# Altium PCB AD-FMComms3_revA.PcbDoc (part 3 of 5)
Units mil, origin at the board's own origin, x right, y up, seen from the top; angles counter-clockwise.
Board outline 3311.81 x 2716.54 mil, 10 copper layers (TOP, L2_GND, L3_PWR, L4_GND, L5_SIG, L6_SIG, L7_GND, L8_PWR, L9_GND, BOTTOM), stack 60.05 mil thick; 211 components, 138 nets, 808 pads, 812 vias.
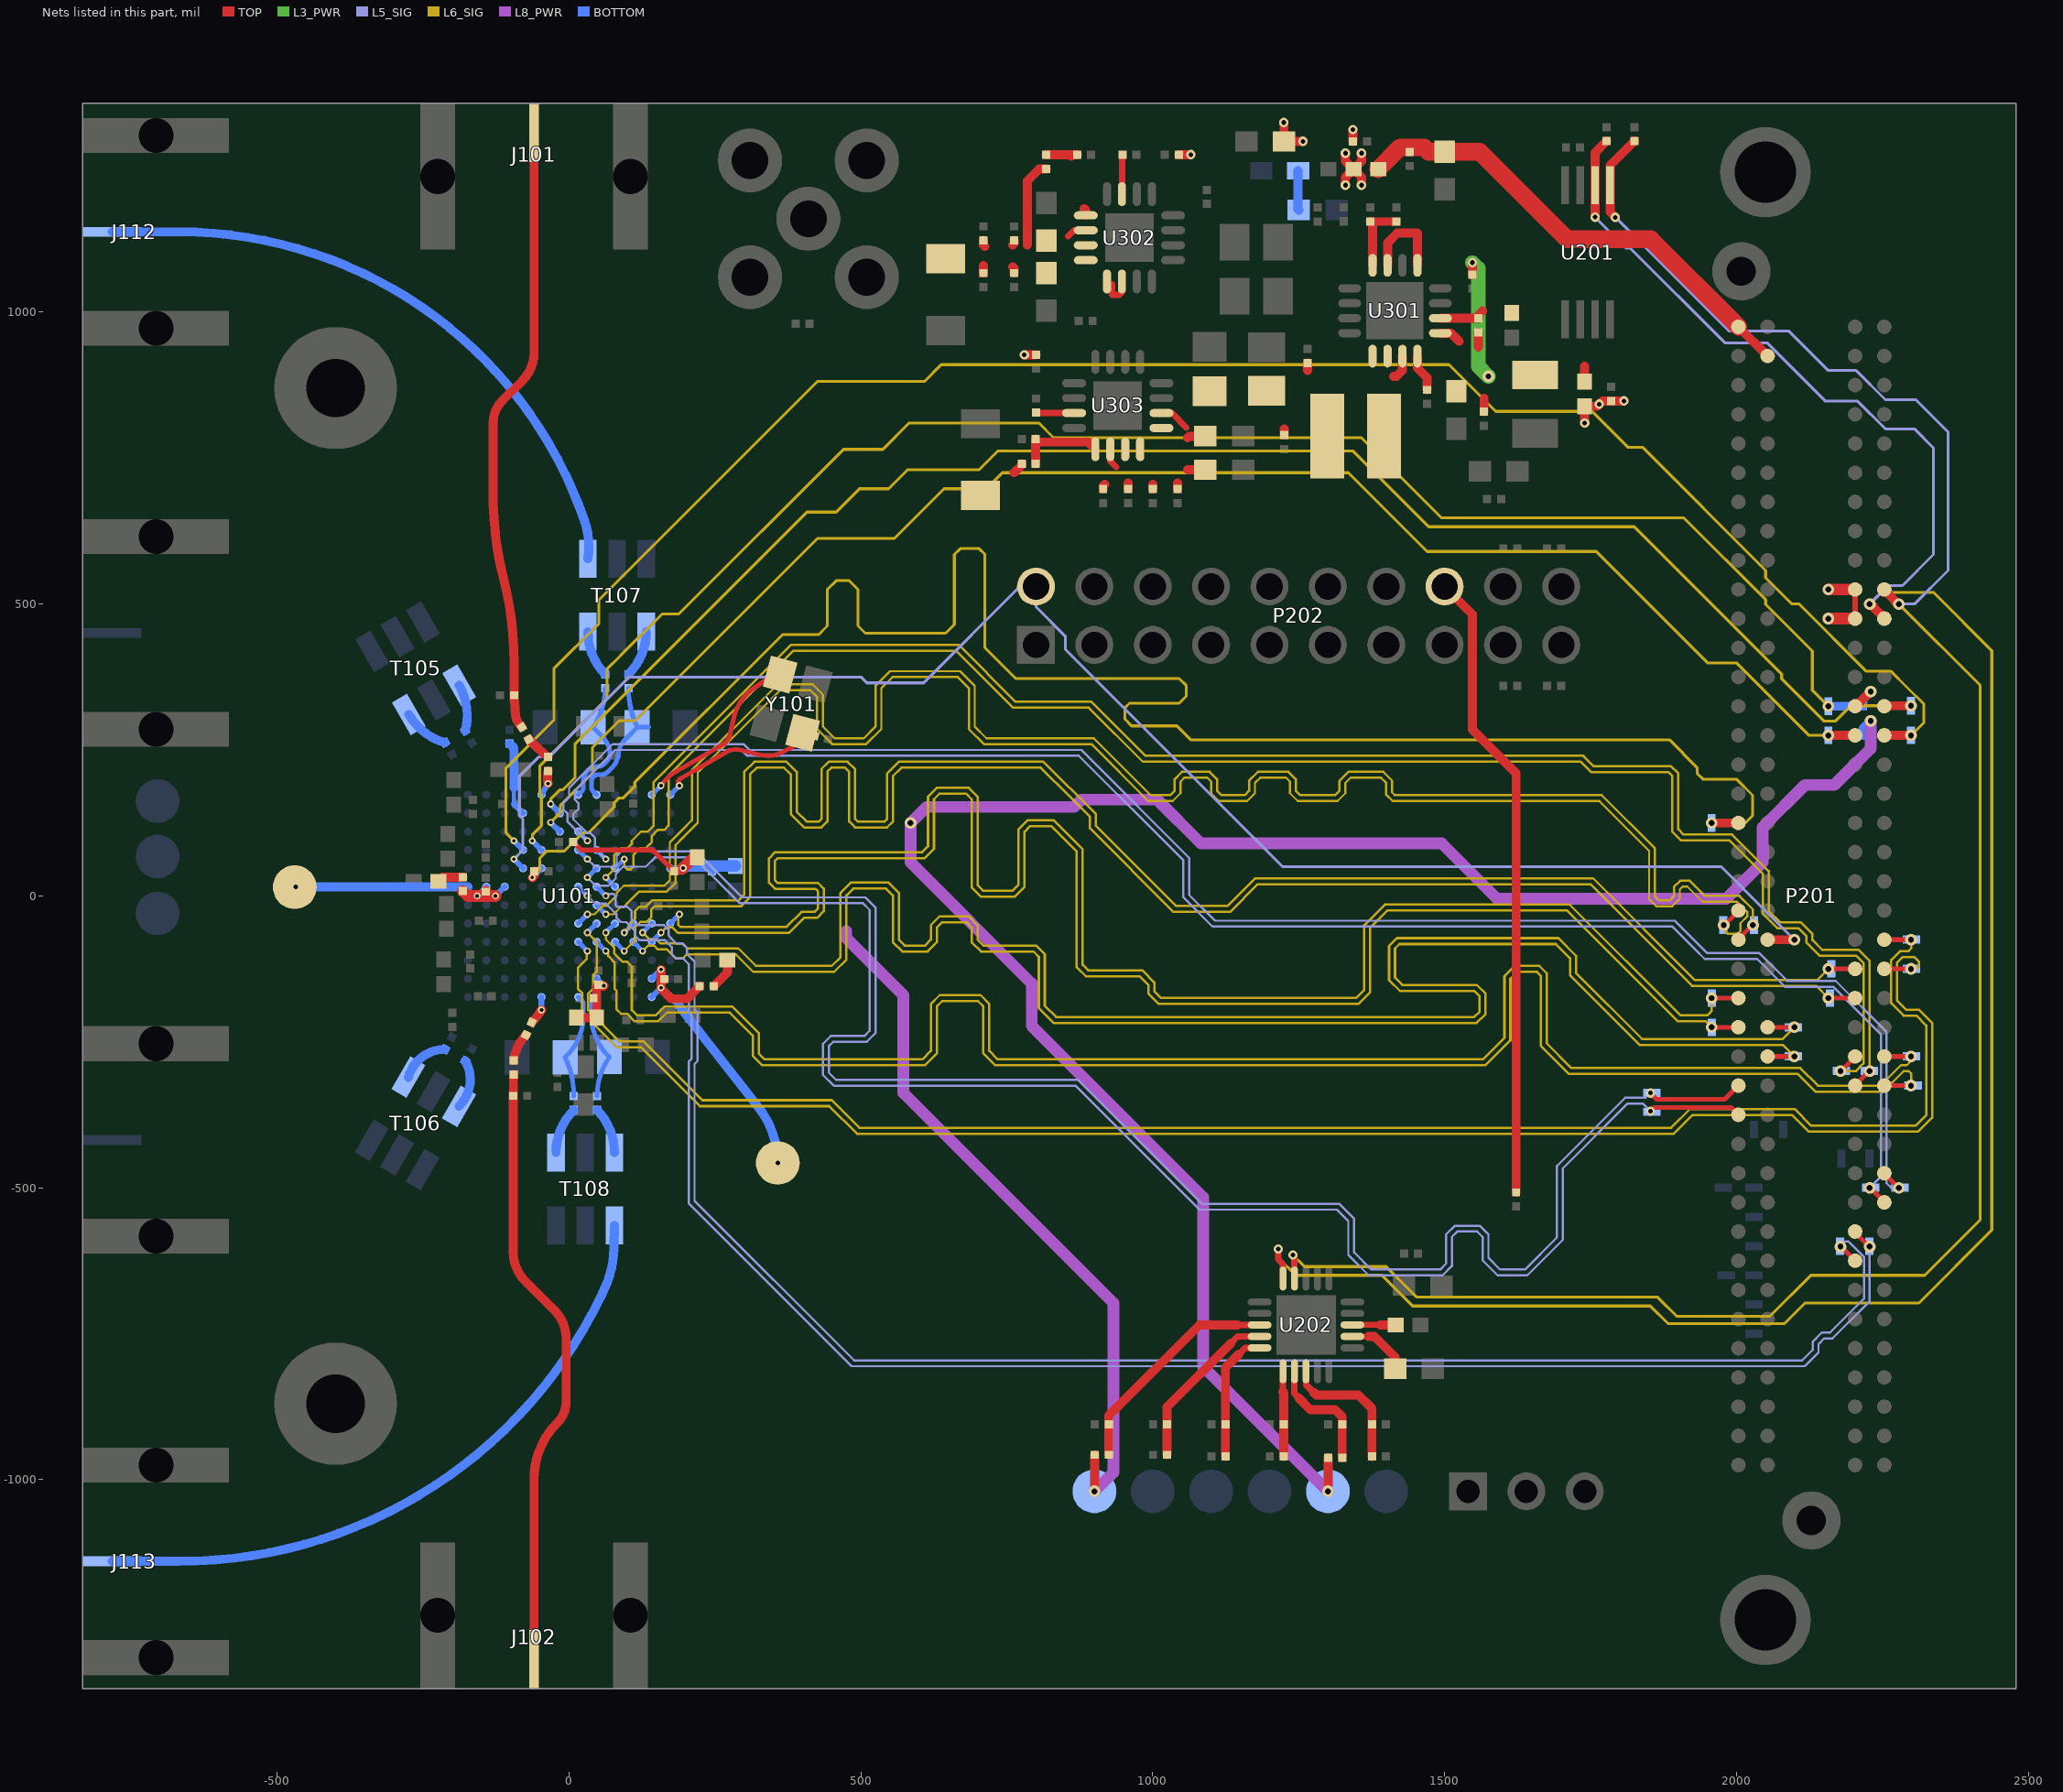
[diagram p11: the nets of this part, all layers, seen from the top]

## Via types
v1: diameter 20, hole 10, TOP to BOTTOM, 458 vias
v2: diameter 16, hole 8, TOP to BOTTOM, 196 vias
v3: diameter 12, hole 6, TOP to BOTTOM, 135 vias
v4: diameter 28, hole 12, TOP to BOTTOM, 19 vias
v5: diameter 210, hole 160, TOP to BOTTOM, 2 vias
v6: diameter 155, hole 105, TOP to BOTTOM, 2 vias

## Nets (pads, with @x,y where several pads share a name; then routed paths per layer and width w, separated by ;. In a path a pad name is that pad's centre, name@x,y a point inside that pad or via, vN(x,y) a via of type N, cw(c..) or ccw(c..) an arc to the next point about the centre after c; other vN are vias at no path point) (continued)
RX_D4_N: P201.C11 TP231.1 U101.K7 | length 2984.1
  TOP w8: P201.C11@2253.27,-475 2253.27,-475.82 2271.81,-494.36 2271.81,-496 v1(2278.27,-500)
  L5_SIG w3.8: v3(31.49,94.5) 30.17,94.5 -2.41,127.08 -2.41,140.88 -9.92,148.39 -9.92,159.09 0,169.01 0,185 75,260 299.15,260 309.15,250 877.5,250 1062.5,65 1062.5,1.65 1106.65,-42.5 1894.28,-42.5 1935.99,-84.2 1949.87,-98.09 ; 1949.88,-98.1 2039.35,-98.1 2086.97,-145.72 2169.87,-145.72 2257.3,-233.15 2257.3,-492.3 2265,-500 v1(2278.27,-500)
  BOTTOM w8: U101.K7@15.75,110.24 v3(31.49,94.5)
RX_D4_P: P201.C10 TP230.1 U101.J8 | length 2983.9
  TOP w8: v1(2228.27,-500) 2234.73,-504 2234.73,-505.64 2253.27,-524.18 P201.C10@2253.27,-525
  L5_SIG w3.8: v3(62.98,63) 44.49,81.49 44.49,99.89 41.78,102.6 41.64,102.6 36.84,107.4 31.42,107.4 7.59,131.23 7.59,140.1 15.88,148.39 15.88,159.09 10,164.97 10,180.85 79.15,250 295,250 305,240 873.35,240 1052.5,60.85 1052.5,-2.5 1102.5,-52.5 1890.13,-52.5 1928.91,-91.28 1945.72,-108.1 2035.2,-108.1 2082.82,-155.72 2165.72,-155.72 2247.3,-237.3 2247.3,-480.97 v1(2228.27,-500)
  BOTTOM w8: U101.J8@47.24,78.74 v3(62.98,63)
RX_D5_N: P201.H14 TP206.1 U101.J7 | length 2987.4
  TOP w8: v2(1852.5,-337.72) 1863.28,-348.5 1979.77,-348.5 P201.H14@2003.27,-325
  L5_SIG w3.8: v3(31.49,63) 44.48,50.01 77.5,50.01 81.58,54.09 81.58,68.33 89.13,75.88 103.37,75.88 103.48,75.99 218.29,75.99 296.78,-2.5 507.5,-2.5 525,-20 525,-235 510,-250 452.5,-250 445,-257.5 445,-302.5 457.5,-315 871.65,-315 1084.15,-527.5 1319.6,-527.5 1345,-552.9 1345,-610.85 1374.15,-640 1492.5,-640 1502.5,-630 1502.5,-580 1517.5,-565 1560,-565 1575,-580 1575,-620 1595,-640 1637.5,-640 1692.5,-585 1692.5,-462.5 1809.28,-345.72 1844.5,-345.72 v2(1852.5,-337.72)
  BOTTOM w8: U101.J7@15.75,78.74 v3(31.49,63)
RX_D5_P: P201.H13 TP205.1 U101.H8 | length 2989.1
  TOP w8: v2(1852.5,-368.92) 1858.92,-362.5 1990.77,-362.5 P201.H13@2003.27,-375
  L5_SIG w3.8: v3(31.5,31.5) 45.5,17.5 67.5,17.5 80,30 80,37.5 92.07,49.57 92.07,49.83 92.32,50.08 120.62,50.08 ; 120.63,50.09 131.33,50.09 147.23,65.99 214.14,65.99 292.63,-12.5 503.35,-12.5 515,-24.15 515,-230.85 505.85,-240 448.35,-240 435,-253.35 435,-306.65 453.35,-325 867.5,-325 1080,-537.5 1315.45,-537.5 1335,-557.05 1335,-615 1370,-650 1496.65,-650 1512.5,-634.15 1512.5,-584.15 1521.65,-575 1555.85,-575 1565,-584.15 1565,-624.15 1590.85,-650 1641.65,-650 1702.5,-589.15 1702.5,-466.65 1813.43,-355.72 1839.3,-355.72 v2(1852.5,-368.92)
  BOTTOM w8: v3(31.5,31.5) U101.H8@47.24,47.24
RX_EXT_LO: TP102.1 U101.G1 | length 294.9
  BOTTOM w15.5: v2(-468.01,15.51) -270.74,15.51 -270.5,15.75 U101.G1@-173.23,15.75
RX_FRAME_N: P201.D9 TP221.1 U101.G7 | length 2997.5
  TOP w8: P201.D9@2203.27,-575 2203.27,-576.64 2221.81,-595.18 2221.81,-596.82 v1(2228.27,-600.82)
  L5_SIG w3.8: v3(31.49,0.01) 44.85,-13.35 63.09,-13.35 81.14,-31.4 81.14,-37.3 88.69,-44.85 98.2,-44.85 113.09,-59.74 113.09,-68.33 120.64,-75.88 131.34,-75.88 152.11,-75.89 164.24,-75.9 176.08,-87.74 176.08,-99.84 183.63,-107.39 195.74,-107.39 205,-116.65 205,-199.15 210,-204.15 210,-278.85 205,-283.85 205,-526.65 484.07,-805.72 2116.78,-805.72 2140.55,-781.95 2140.55,-767.99 2150.44,-758.1 2164.4,-758.1 2228.27,-694.23 v1(2228.27,-600.82)
  BOTTOM w8: U101.G7@15.75,15.75 v3(31.49,0.01)
RX_FRAME_P: P201.D8 TP220.1 U101.G8 | length 3000.3
  TOP w8: v1(2178.27,-600.82) 2184.73,-604.82 2184.73,-606.46 P201.D8@2203.27,-625
  L5_SIG w3.8: v3(62.98,0.01) 66.22,3.25 76.75,3.25 79.44,0.56 79.44,-15.55 82.49,-18.6 99.84,-18.6 107.39,-26.15 107.39,-39.88 117.59,-50.08 131.34,-50.08 162.83,-50.09 170.38,-57.64 170.38,-67.89 184.08,-81.59 194.33,-81.59 201.88,-89.14 201.88,-99.38 215,-112.5 215,-195 220,-200 220,-283 215,-288 215,-522.5 488.22,-795.72 2112.63,-795.72 2130.55,-777.8 2130.55,-763.84 2146.29,-748.1 2160.25,-748.1 2218.27,-690.08 2218.27,-618.27 2191.73,-591.73 2182.81,-591.73 2178.27,-596.27 v1(2178.27,-600.82)
  BOTTOM w8: U101.G8@47.24,15.75 v3(62.98,0.01)
SCL: P201.C30 R211.1 U201.6 U202.15 | length 3900.7
  TOP w11: v2(1215,-605) 1215,-622.5 1223.13,-630.63 U202.15@1223.13,-655.5
  TOP w15.5: v2(1757.8,1162.8) U201.6@1757.8,1217.46 1757.8,1273.3 R211.1@1777.5,1293 ; v1(2228.27,500) 2234.73,496 2234.73,494.36 2253.27,475.82 P201.C30@2253.27,475
  L5_SIG w4.9: v2(1757.8,1162.8) 1810.6,1110 1817.5,1110 1980,947.5 2052.5,947.5 2152.5,847.5 2207.5,847.5 2255,800 2305,800 2337.5,767.5 2337.5,585 2284.23,531.73 2260,531.73 v1(2228.27,500)
  L6_SIG w4.9: v2(1215,-605) 1215,-620 1245,-650 1392.5,-650 1445,-702.5 1852.5,-702.5 1882.5,-732.5 2082.5,-732.5 2117.5,-697.5 2312.5,-697.5 2437.5,-572.5 2437.5,420 2337.5,520 2248.27,520 v1(2228.27,500)
SDA: P201.C31 R212.1 U201.5 U202.14 | length 3699.2
  TOP w11: v2(1240,-615) 1242.81,-617.81 U202.14@1242.81,-655.5
  TOP w15.5: v2(1792.5,1162.5) 1783.39,1171.61 U201.5@1783.39,1217.46 1783.39,1251.39 R212.1@1825,1293 ; P201.C31@2253.27,525 2253.27,524.18 2271.81,505.64 2271.81,504 v1(2278.27,500)
  L5_SIG w4.9: v2(1792.5,1162.5) 1987.5,967.5 2090,967.5 2157.5,900 2205,900 2255,850 2307.5,850 2362.5,795 2362.5,557.5 2305,500 v1(2278.27,500)
  L6_SIG w4.9: v2(1240,-615) 1260,-635 1400,-635 1452.5,-687.5 1865,-687.5 1897.5,-720 2057.5,-720 2127.5,-650 2322.5,-650 2417.5,-555 2417.5,360.77 v1(2278.27,500)
SPI_CLK: R225.2 TP229.1 U101.J5 | length 2896.5
  L6_SIG w4.9: v3(-62.99,94.49) -62.99,104.51 -47.5,120 -47.5,172.5 -50,175 -50,223 65,338 65,388.25 87.53,410.78 87.53,410.96 159.53,482.96 187.96,482.96 470,765 537.5,765 582.5,810 805,810 830,785 1357.5,785 1495,647.5 1910,647.5 2050,507.5 2050,499.41 2130,419.41 2130,352.45 v1(2157.45,325)
  BOTTOM w15.5: v1(2157.45,325) R225.2@2193,325
SPI_DI: P201.C26 TP236.1 U101.J4 | length 3277.6
  TOP w15.5: P201.C26@2253.27,275 v1(2299.09,275)
  L6_SIG w4.9: v3(-94.49,94.49) -107.94,107.94 -107.94,219 -26,300.94 -26,389.3 51.25,466.55 51.25,507.25 425.25,881.25 608.75,881.25 637.5,910 1507.5,910 1587.5,830 1752.5,830 1813.75,768.75 1838.75,768.75 2050,557.5 2050,545 2095,500 2107.5,500 2222.79,384.71 2264.7,384.71 2291.86,357.55 2292.04,357.55 2321.15,328.44 2321.15,297.06 v1(2299.09,275)
SPI_DO: P201.C27 TP237.1 U101.L6 | length 2874.3
  TOP w15.5: P201.C27@2253.27,325 2253.27,325.82 v1(2299.09,325.82)
  L6_SIG w4.9: v3(-31.5,157.48) -31.5,166 -15.45,182.05 -10.18,182.05 10,202.23 10,260 407.5,657.5 457.5,657.5 497.5,697.5 547.5,697.5 580,730 702.5,730 735,762.5 1342.5,762.5 1472.5,632.5 1825,632.5 2077.5,380 2077.5,371.91 2150.13,299.28 2169.28,299.28 2195.82,325.82 v1(2299.09,325.82)
SPI_ENB: P201.D26 R226.2 TP228.1 U101.K6 | length 2738.1
  TOP w15.5: v1(2157.45,275) P201.D26@2203.27,275
  L6_SIG w4.9: v3(-31.5,125.98) -15,142.48 -15,155 40,210 40,254.18 86.02,300.2 113.12,300.2 425.42,612.5 557.5,612.5 642.5,697.5 715,697.5 742.5,725 1335,725 1470,590 1760,590 1951.16,398.84 2000.57,398.84 2124.41,275 v1(2157.45,275)
  BOTTOM w15.5: v1(2157.45,275) R226.2@2193,275
SYNC_IN: P201.H23 R111.2 TP211.1 U101.H5 | length 3259.7
  TOP w15.5: v3(-62.99,31.49) -59.5,34.98 R111.2@-59.5,42.5 ; v1(1957.45,125) P201.H23@2003.27,125
  L6_SIG w4.9: v3(-62.99,31.49) -50,44.48 -50,65 -38.55,76.45 -8.55,76.45 22.95,107.95 32.95,107.95 77.3,152.3 77.3,159.58 85.17,167.45 92.45,167.45 112.54,187.54 112.54,194.56 365.48,447.5 427.5,447.5 442.5,462.5 442.5,525 457.5,540 480,540 495,525 495,462.5 507.5,450 645,450 660,465 660,585 670,595 702.5,595 712.5,585 712.5,425 765,372.5 1045,372.5 1057.5,360 1057.5,342.5 1045,330 960,330 952.5,322.5 952.5,302.5 963.75,291.25 1041.25,291.25 1065,267.5 1885,267.5 1932.5,220 1932.5,210 1942.5,200 2000,200 2027.5,172.5 2027.5,137.5 2015,125 v1(1957.45,125)
  BOTTOM w10: v3(-62.99,31.49) U101.H5@-47.24,47.24
TX1A: J112.1 T107.3 | length 1090.4
  BOTTOM w15.5: J112.1@-782.5,1137.5 -667.5,1137.5 cw(c-667.5,403.74) 26.87,640.91 cw(c-97.31,598.5) T107.3@32.22,577.48
TX1A_N: C122.1 L101.2 U101.M8 | length 244.1
  BOTTOM w8: U101.M8@47.24,173.23 40.84,179.63 cw(c46.49,185.28) 38.5,185.28 38.5,196.4 cw(c50,196.4) 50,207.9 55.85,207.9 ccw(c55.85,222.02) 65.84,212.04 73.36,219.56 73.56,219.77 ccw(c45.99,247.34) 83.47,236.6 ccw(c45.99,247.34) 84.89,244.72 ccw(c45.99,247.37) 84.98,247.34 cw(c129.62,236.59) 88.49,257 cw(c129.62,236.58) 97.15,269.05 L101.2@116.6,288.5 ; C122.1@101.82,355.76 ccw(c257.73,355.76) 116.6,289.5 L101.2@136.54,289.5
TX1A_P: C123.1 L103.2 U101.M7 | length 225
  BOTTOM w8: U101.M7@15.75,173.23 22.16,179.64 ccw(c16.51,185.29) 24.5,185.29 24.5,196.4 cw(c50,196.4) 50,221.9 ccw(c50.01,236.12) 60.06,226.06 63.46,229.47 ccw(c46.9,245.72) 70.1,245.72 ccw(c25.01,240.81) 68.96,252.02 ccw(c25.01,240.82) 57.08,272.89 L103.2@40.98,289 ccw(c-55.53,355.76) C123.1@61.82,355.76
TX2A: J113.1 T108.3 | length 1139.7
  BOTTOM w15.5: J113.1@-782.5,-1140 -667.5,-1140 ccw(c-667.5,-338.89) 66,-661 ccw(c-100.07,-599.46) 77,-603 T108.3@77.77,-564.48
TX2A_N: C124.1 L105.2 U101.A7 | length 183.6
  BOTTOM w8: C124.1@8.17,-342.76 ccw(c-147.74,-342.76) L105.2@-6.61,-276.5 -4.27,-274.16 ccw(c-73.73,-204.7) 24.5,-204.7 24.5,-185.29 ccw(c16.51,-185.29) 22.16,-179.64 U101.A7@15.75,-173.23
TX2A_P: C125.1 L107.2 U101.A8 | length 185.5
  BOTTOM w8: U101.A8@47.24,-173.23 40.84,-179.63 ccw(c46.49,-185.28) 38.5,-185.28 38.5,-204.7 ccw(c136.98,-204.71) 67.34,-274.34 L107.2@69.01,-276 ccw(c165.52,-342.76) C125.1@48.17,-342.76
TX_D0_N: P201.H17 TP208.1 U101.E12 | length 2969.7
  TOP w8: v1(1957.45,-175) P201.H17@2003.27,-175
  L6_SIG w4: v3(188.97,-31.5) 187.46,-33.01 187.46,-49.96 190.3,-52.8 372.77,-52.8 398.27,-27.3 420.77,-27.3 426.12,-21.95 426.12,8.27 422.09,12.3 352.7,12.3 342.5,22.5 342.5,64.23 353.27,75 605,75 615,85 615,170 630,185 685,185 700,170 700,18.72 710,8.72 759.29,8.72 770,19.43 770,114.23 785.77,130 830,130 880,80 880,-118.07 889.43,-127.5 981.93,-127.5 1002.7,-148.27 1002.7,-163.27 1014.23,-174.8 1348.27,-174.8 1362.3,-160.77 1362.3,-50.2 1397.7,-14.8 1714.23,-14.8 1904.23,-204.8 1950,-204.8 1957.45,-197.35 v1(1957.45,-175)
  BOTTOM w8: U101.E12@173.23,-47.24 v3(188.97,-31.5)
TX_D0_P: P201.H16 TP207.1 U101.D11 | length 2965.4
  TOP w8: v1(1957.45,-225) P201.H16@2003.27,-225
  L6_SIG w4: v3(157.47,-63) 166.28,-54.19 177.26,-54.19 186.07,-63 377,-63 402.5,-37.5 425,-37.5 436.32,-26.18 436.32,12.5 426.32,22.5 356.93,22.5 352.7,26.73 352.7,60 357.5,64.8 609.23,64.8 625.2,80.77 625.2,165.77 634.23,174.8 680.77,174.8 689.8,165.77 689.8,14.49 705.77,-1.48 763.52,-1.48 780.2,15.2 780.2,110 790,119.8 825.77,119.8 869.8,75.77 869.8,-122.3 885.2,-137.7 977.7,-137.7 992.5,-152.5 992.5,-167.5 1010,-185 1352.5,-185 1372.5,-165 1372.5,-54.43 1401.93,-25 1710,-25 1900,-215 1947.45,-215 v1(1957.45,-225)
  BOTTOM w8: U101.D11@141.73,-78.74 v3(157.47,-63)
TX_D1_N: P201.G16 TP219.1 U101.E11 | length 2965.5
  TOP w8: P201.G16@2053.27,-225 v1(2099.09,-225)
  L6_SIG w4: v3(125.99,-62.98) 137.81,-74.8 149.8,-74.8 156.49,-81.49 194.37,-81.49 202.88,-90 290,-90 319.8,-119.8 450.2,-119.8 465,-105 465,5 482.7,22.7 547.3,22.7 565,5 565,-75 575,-85 610,-85 620,-75 620,-50 635,-35 685,-35 700,-50 700,-75 710,-85 800,-85 815,-100 815,-188.07 834.43,-207.5 1550.57,-207.5 1559.8,-198.27 1559.8,-171.73 1550.77,-162.7 1423.27,-162.7 1404.8,-144.23 1404.8,-85.77 1418.27,-72.3 1694.8,-72.3 1725,-102.5 1725,-131.82 1838.18,-245 2079.09,-245 v1(2099.09,-225)
  BOTTOM w8: v3(125.99,-62.98) U101.E11@141.73,-47.24
TX_D1_P: P201.G15 TP218.1 U101.D10 | length 2948.2
  TOP w8: P201.G15@2053.27,-275 v1(2099.09,-275)
  L6_SIG w4: v3(125.98,-94.49) 132.97,-87.5 133.07,-87.5 135.57,-85 145.57,-85 152.26,-91.69 167.79,-91.69 183.59,-107.49 194.37,-107.49 201.66,-100.2 285.77,-100.2 315.57,-130 454.43,-130 475.2,-109.23 475.2,0.77 486.93,12.5 543.07,12.5 554.8,0.77 554.8,-79.23 570.77,-95.2 614.23,-95.2 630.2,-79.23 630.2,-54.23 639.23,-45.2 680.77,-45.2 689.8,-54.23 689.8,-79.23 705.77,-95.2 795.77,-95.2 804.8,-104.23 804.8,-192.3 830.2,-217.7 1554.8,-217.7 1570,-202.5 1570,-167.5 1555,-152.5 1427.5,-152.5 1415,-140 1415,-90 1422.5,-82.5 1690.57,-82.5 1714.8,-106.73 1714.8,-136.05 1833.95,-255.2 2079.29,-255.2 v1(2099.09,-275)
TX_D2_N: P201.D18 TP227.1 U101.E10 | length 2955.5
  TOP w8: v1(2157.45,-125) P201.D18@2203.27,-125
  L6_SIG w4: v3(94.49,-62.99) 102.78,-54.7 102.78,-49.37 112.99,-39.16 112.99,-26.1 120.6,-18.49 131.51,-18.49 142.7,-7.3 290.77,-7.3 300,1.93 300,212.5 317.5,230 372.5,230 390,212.5 390,144.43 406.93,127.5 428.07,127.5 432.5,131.93 432.5,217.5 445,230 476.93,230 490,216.93 490,131.93 494.43,127.5 540.57,127.5 545,131.93 545,210 565,230 812.5,230 902.5,140 902.5,120 1039.8,-17.3 1128.27,-17.3 1175.77,30.2 1754.23,30.2 1928.18,-143.75 2138.7,-143.75 v1(2157.45,-125)
  BOTTOM w8: v3(94.49,-62.99) U101.E10@110.24,-47.24
TX_D2_P: P201.D17 TP226.1 U101.D9 | length 2965.8
  TOP w8: v1(2157.45,-175) P201.D17@2203.27,-175
  L6_SIG w3.8: v3(94.49,-94.49) 109.54,-79.44
  L6_SIG w4: 109.54,-79.44 112.99,-75.99 112.99,-57.59 113.26,-57.32 113.26,-53.33 122.1,-44.49 132.88,-44.49 140.49,-36.88 140.49,-23.94 146.93,-17.5 295,-17.5 310.2,-2.3 310.2,208.27 321.73,219.8 368.27,219.8 379.8,208.27 379.8,140.2 402.7,117.3 432.3,117.3 442.7,127.7 442.7,213.27 449.23,219.8 472.7,219.8 479.8,212.7 479.8,127.7 490.2,117.3 544.8,117.3 555.2,127.7 555.2,205.77 569.23,219.8 808.27,219.8 859.03,169.03 ; v1(2157.45,-175) 2136.4,-153.95 1923.95,-153.95 1750,20 1180,20 1132.5,-27.5 1035.57,-27.5 892.3,115.77 892.3,135.77 868.07,160 ; 859.03,169.04 868.07,160 ; 859.03,169.03 868.07,160
TX_D3_N: P201.C15 TP233.1 U101.E9 | length 2977.4
  TOP w8: P201.C15@2253.27,-275 v1(2299.09,-275)
  L6_SIG w4: v3(62.99,-62.99) 62.99,-74.24 77.5,-88.75 77.5,-98.8 91.69,-112.99 99.89,-112.99 107.5,-120.6 107.5,-195.59 116.72,-204.8 148.27,-204.8 163.27,-189.8 279.8,-189.8 325,-235 325,-270 335,-280 605.57,-280 620,-265.57 620,-185 635,-170 705,-170 720,-185 720,-265.57 734.43,-280 1565.57,-280 1602.5,-243.07 1602.5,-137.5 1620,-120 1662.5,-120 1675,-132.5 1675,-252.5 1717.3,-294.8 2109.23,-294.8 2139.43,-325 2246.87,-325 2281.87,-290 2291.59,-290 2299.09,-282.5 v1(2299.09,-275)
  BOTTOM w8: v3(62.99,-62.99) U101.E9@78.74,-47.24
TX_D3_P: P201.C14 TP232.1 U101.D8 | length 2949.4
  TOP w8: P201.C14@2253.27,-325 v1(2299.09,-325)
  L6_SIG w4: v3(62.99,-94.49) 67.3,-98.8 67.3,-103.03 78.01,-113.74 78.01,-159.13 81.49,-162.61 81.49,-194.37 89.1,-201.98 99.46,-201.98 112.49,-215 152.5,-215 167.5,-200 275.57,-200 314.8,-239.23 314.8,-274.23 330.77,-290.2 609.8,-290.2 630.2,-269.8 630.2,-189.23 639.23,-180.2 700.77,-180.2 709.8,-189.23 709.8,-269.8 730.2,-290.2 1569.8,-290.2 1612.7,-247.3 1612.7,-141.73 1624.23,-130.2 1658.27,-130.2 1664.8,-136.73 1664.8,-256.73 1713.07,-305 2105,-305 2135.2,-335.2 2251.1,-335.2 2286.1,-300.2 2295.2,-300.2 2299.09,-304.09 v1(2299.09,-325)
TX_D4_N: P201.C19 TP235.1 U101.E8 | length 2982.7
  TOP w8: P201.C19@2253.27,-75 v1(2299.09,-75)
  L6_SIG w3.8: v3(31.49,-62.99) 47.31,-78.81 47.31,-95
  L6_SIG w4: 47.31,-95 47.31,-129.62 41.02,-135.91 41.02,-159.13 32.7,-167.45 32.7,-195.77 86.44,-249.51 128.02,-249.51 228.51,-350 450,-350 497.3,-397.3 1888.27,-397.3 1920.57,-365 2099.43,-365 2128.18,-393.75 2306.82,-393.75 2325,-375.57 2325,-221.93 2308.07,-205 2286.25,-205 2265,-183.75 2265,-110 2280,-95 2294.09,-95 2299.09,-90 v1(2299.09,-75)
  BOTTOM w8: v3(31.49,-62.99) U101.E8@47.24,-47.24
TX_D4_P: P201.C18 TP234.1 U101.D7 | length 2987.7
  TOP w8: P201.C18@2253.27,-125 v1(2299.09,-125)
  L6_SIG w3.8: v3@30.56,-95.43 v3(31.5,-94.49)
  L6_SIG w4: v3@30.56,-95.43 30.56,-107.58 15.02,-123.12 15.02,-159.13 22.5,-166.61 22.5,-200 82.21,-259.71 123.79,-259.71 224.28,-360.2 445.77,-360.2 493.07,-407.5 1892.5,-407.5 1924.8,-375.2 2095.2,-375.2 2123.95,-403.95 2311.05,-403.95 2335.2,-379.8 2335.2,-217.7 2312.3,-194.8 2290.48,-194.8 2275.2,-179.52 2275.2,-114.23 2284.23,-105.2 2305.2,-105.2 2312.5,-112.5 2312.5,-120 2307.5,-125 v1(2299.09,-125)
  BOTTOM w8: U101.D7@15.75,-78.74 v3(31.5,-94.49)
TX_D5_N: P201.H20 TP210.1 U101.F8 | length 2937.6
  TOP w8: v1(1978.27,-50) 1984.73,-46 1984.73,-44.36 2003.27,-25.82 P201.H20@2003.27,-25
  L6_SIG w3.8: v3(62.99,-31.5) 76.24,-31.5 89.14,-18.6 93.9,-18.6 99.6,-12.9 99.84,-12.9 120.24,7.5 167.5,7.5 182.6,22.6 182.6,87.21 195.55,100.16 211.88,116.48 211.88,116.88 220.42,125.42 220.42,211.27 361.65,352.5 413.35,352.5 425,340.85 425,285.85 450.85,260 509.15,260 535,285.85 535,355.85 554.15,375 665.85,375 685,355.85 685,285.85 710.85,260 895,260 992.5,162.5 1034.15,162.5 1047.5,175.85 1047.5,195.85 1054.15,202.5 1093.35,202.5 1100,195.85 1100,175.85 1113.35,162.5 1161.65,162.5 1175,175.85 1175,193.35 1184.15,202.5 1228.35,202.5 1235,195.85 1235,175.85 1248.35,162.5 1316.66,162.5 1330,175.84 1330,193.35 1339.15,202.5 1390.85,202.5 1400,193.35 1400,173.35 1410.85,162.5 1765,162.5 1850.33,77.17 1850.33,-5.33 1862.5,-17.5 1890,-17.5 1902.92,-4.58 1902.92,11.27 1907.55,15.9 1915.89,15.9 1941.79,-10 2000.85,-10 2018.27,-27.42 2018.27,-35.48 2006.87,-46.88 2006.87,-60 2001.87,-65 1985,-65 1977.5,-57.5 1977.5,-50.77 v1(1978.27,-50)

## Text inside footprints (layer, text, board x,y; h text height)
R125: PIN_NUMBER "2" at -111.75,284.75 h25 r270; PIN_NUMBER "1" at -111.75,260.75 h25 r270; ASSEMBLY_BOTTOM "UPN" at -131.75,337.75 h25 r180; ASSEMBLY_BOTTOM "1" at -111.75,307.75 h25 r180; ASSEMBLY_BOTTOM "14.3K" at -151.75,262.55 h25 r180; PAD_STACK_NAME "14X14" at -325.75,280.35 h50 r270; PAD_STACK_NAME "R0201" at -104.75,283.75 h50 r270; DISPLAY_BOTTOM "QA/XXX" at -176.15,417.75 h31 r180; DISPLAY_BOTTOM "26JAN09" at -188.55,157.75 h31 r180; DISPLAY_BOTTOM "10XXX09" at -188.55,457.75 h31 r180; DISPLAY_BOTTOM "ADI/DML" at -188.55,112.75 h31 r180
R201: PIN_NUMBER "2" at 1614.5,360 h25; PIN_NUMBER "1" at 1590.5,360 h25; PAD_STACK_NAME "14X14" at 1520.1,236 h50; PAD_STACK_NAME "R0201" at 1523.5,457 h50; DISPLAY_TOP "QA/XXX" at 1683.1,360 h31 r90; DISPLAY_TOP "26JAN09" at 1410.7,360 h31 r90; DISPLAY_TOP "10XXX09" at 1710.7,360 h31 r90; DISPLAY_TOP "ADI/DML" at 1365.7,360 h31 r90; ASSEMBLY_TOP "UPN" at 1647.5,360 h25 r90; ASSEMBLY_TOP "1" at 1637.5,360 h25 r90; ASSEMBLY_TOP "10K" at 1572.3,360 h25 r90
R202: PIN_NUMBER "2" at 1614.5,595 h25; PIN_NUMBER "1" at 1590.5,595 h25; PAD_STACK_NAME "14X14" at 1520.1,471 h50; PAD_STACK_NAME "R0201" at 1523.5,692 h50; DISPLAY_TOP "QA/XXX" at 1683.1,595 h31 r90; DISPLAY_TOP "26JAN09" at 1410.7,595 h31 r90; DISPLAY_TOP "10XXX09" at 1710.7,595 h31 r90; DISPLAY_TOP "ADI/DML" at 1365.7,595 h31 r90; ASSEMBLY_TOP "UPN" at 1647.5,595 h25 r90; ASSEMBLY_TOP "1" at 1637.5,595 h25 r90; ASSEMBLY_TOP "10K" at 1572.3,595 h25 r90
R203: PIN_NUMBER "2" at 1665.5,360 h25 r180; PIN_NUMBER "1" at 1689.5,360 h25 r180; PAD_STACK_NAME "14X14" at 1579.9,484 h50 r180; PAD_STACK_NAME "R0201" at 1576.5,263 h50 r180; DISPLAY_TOP "QA/XXX" at 1468.1,360 h31 r270; DISPLAY_TOP "26JAN09" at 1715.7,360 h31 r270; DISPLAY_TOP "10XXX09" at 1415.7,360 h31 r270; DISPLAY_TOP "ADI/DML" at 1760.7,360 h31 r270; ASSEMBLY_TOP "UPN" at 1592.5,360 h25 r270; ASSEMBLY_TOP "1" at 1642.5,360 h25 r270; ASSEMBLY_TOP "10K" at 1667.7,360 h25 r270
R204: PIN_NUMBER "2" at 1665.5,595 h25 r180; PIN_NUMBER "1" at 1689.5,595 h25 r180; PAD_STACK_NAME "14X14" at 1579.9,719 h50 r180; PAD_STACK_NAME "R0201" at 1576.5,498 h50 r180; DISPLAY_TOP "QA/XXX" at 1468.1,595 h31 r270; DISPLAY_TOP "26JAN09" at 1715.7,595 h31 r270; DISPLAY_TOP "10XXX09" at 1415.7,595 h31 r270; DISPLAY_TOP "ADI/DML" at 1760.7,595 h31 r270; ASSEMBLY_TOP "UPN" at 1592.5,595 h25 r270; ASSEMBLY_TOP "1" at 1642.5,595 h25 r270; ASSEMBLY_TOP "10K" at 1667.7,595 h25 r270
R205: PIN_NUMBER "2" at 1304.75,1175 h25 r180; PIN_NUMBER "1" at 1240.25,1175 h25 r180; ASSEMBLY_BOTTOM "237" at 1254.5,1186 h25 r180; ASSEMBLY_BOTTOM "1" at 1202.5,1175 h25 r90; ASSEMBLY_BOTTOM "UPN" at 1376.5,1176 h25 r90; PAD_STACK_NAME "R0603a" at 1157.5,1080 h50 r180; PAD_STACK_NAME "38.5x35x26" at 1182.5,1305 h25 r180
R206: PIN_NUMBER "1" at 1290.5,-905 h25; PIN_NUMBER "2" at 1314.5,-905 h25; PAD_STACK_NAME "14X14" at 1220.1,-1029 h50; PAD_STACK_NAME "R0201" at 1223.5,-808 h50; DISPLAY_TOP "QA/XXX" at 1383.1,-905 h31 r90; DISPLAY_TOP "26JAN09" at 1110.7,-905 h31 r90; DISPLAY_TOP "10XXX09" at 1410.7,-905 h31 r90; DISPLAY_TOP "ADI/DML" at 1065.7,-905 h31 r90; ASSEMBLY_TOP "UPN" at 1347.5,-905 h25 r90; ASSEMBLY_TOP "1" at 1337.5,-905 h25 r90; ASSEMBLY_TOP "16K" at 1272.3,-905 h25 r90
R211: PIN_NUMBER "2" at 1767.5,1317 h25 r90; PIN_NUMBER "1" at 1767.5,1293 h25 r90; PAD_STACK_NAME "14X14" at 1801.5,1312.6 h50 r90; PAD_STACK_NAME "R0201" at 1580.5,1316 h50 r90; DISPLAY_TOP "QA/XXX" at 1703.1,1450 h31 r180; DISPLAY_TOP "26JAN09" at 1690.7,1190 h31 r180; DISPLAY_TOP "10XXX09" at 1690.7,1490 h31 r180; DISPLAY_TOP "ADI/DML" at 1690.7,1145 h31 r180; ASSEMBLY_TOP "UPN" at 1747.5,1370 h25 r180; ASSEMBLY_TOP "1" at 1767.5,1340 h25 r180; ASSEMBLY_TOP "2K" at 1757.5,1294.8 h25 r180
R212: PIN_NUMBER "2" at 1815,1317 h25 r90; PIN_NUMBER "1" at 1815,1293 h25 r90; PAD_STACK_NAME "14X14" at 1849,1312.6 h50 r90; PAD_STACK_NAME "R0201" at 1628,1316 h50 r90; DISPLAY_TOP "QA/XXX" at 1750.6,1450 h31 r180; DISPLAY_TOP "26JAN09" at 1738.2,1190 h31 r180; DISPLAY_TOP "10XXX09" at 1738.2,1490 h31 r180; DISPLAY_TOP "ADI/DML" at 1738.2,1145 h31 r180; ASSEMBLY_TOP "UPN" at 1795,1370 h25 r180; ASSEMBLY_TOP "1" at 1815,1340 h25 r180; ASSEMBLY_TOP "2K" at 1805,1294.8 h25 r180
R213: PIN_NUMBER "1" at 1090.5,-960 h25; PIN_NUMBER "2" at 1114.5,-960 h25; PAD_STACK_NAME "14X14" at 1020.1,-1084 h50; PAD_STACK_NAME "R0201" at 1023.5,-863 h50; DISPLAY_TOP "QA/XXX" at 1183.1,-960 h31 r90; DISPLAY_TOP "26JAN09" at 910.7,-960 h31 r90; DISPLAY_TOP "10XXX09" at 1210.7,-960 h31 r90; DISPLAY_TOP "ADI/DML" at 865.7,-960 h31 r90; ASSEMBLY_TOP "UPN" at 1147.5,-960 h25 r90; ASSEMBLY_TOP "1" at 1137.5,-960 h25 r90; ASSEMBLY_TOP "10K" at 1072.3,-960 h25 r90
R214: PIN_NUMBER "1" at 1090.5,-905 h25; PIN_NUMBER "2" at 1114.5,-905 h25; PAD_STACK_NAME "14X14" at 1020.1,-1029 h50; PAD_STACK_NAME "R0201" at 1023.5,-808 h50; DISPLAY_TOP "QA/XXX" at 1183.1,-905 h31 r90; DISPLAY_TOP "26JAN09" at 910.7,-905 h31 r90; DISPLAY_TOP "10XXX09" at 1210.7,-905 h31 r90; DISPLAY_TOP "ADI/DML" at 865.7,-905 h31 r90; ASSEMBLY_TOP "UPN" at 1147.5,-905 h25 r90; ASSEMBLY_TOP "1" at 1137.5,-905 h25 r90; ASSEMBLY_TOP "16K" at 1072.3,-905 h25 r90
R215: PIN_NUMBER "1" at 1290.5,-962.5 h25; PIN_NUMBER "2" at 1314.5,-962.5 h25; PAD_STACK_NAME "14X14" at 1220.1,-1086.5 h50; PAD_STACK_NAME "R0201" at 1223.5,-865.5 h50; DISPLAY_TOP "QA/XXX" at 1383.1,-962.5 h31 r90; DISPLAY_TOP "26JAN09" at 1110.7,-962.5 h31 r90; DISPLAY_TOP "10XXX09" at 1410.7,-962.5 h31 r90; DISPLAY_TOP "ADI/DML" at 1065.7,-962.5 h31 r90; ASSEMBLY_TOP "UPN" at 1347.5,-962.5 h25 r90; ASSEMBLY_TOP "1" at 1337.5,-962.5 h25 r90; ASSEMBLY_TOP "10K" at 1272.3,-962.5 h25 r90
R217: PIN_NUMBER "1" at 990.5,-957.5 h25; PIN_NUMBER "2" at 1014.5,-957.5 h25; PAD_STACK_NAME "14X14" at 920.1,-1081.5 h50; PAD_STACK_NAME "R0201" at 923.5,-860.5 h50; DISPLAY_TOP "QA/XXX" at 1083.1,-957.5 h31 r90; DISPLAY_TOP "26JAN09" at 810.7,-957.5 h31 r90; DISPLAY_TOP "10XXX09" at 1110.7,-957.5 h31 r90; DISPLAY_TOP "ADI/DML" at 765.7,-957.5 h31 r90; ASSEMBLY_TOP "UPN" at 1047.5,-957.5 h25 r90; ASSEMBLY_TOP "1" at 1037.5,-957.5 h25 r90; ASSEMBLY_TOP "10K" at 972.3,-957.5 h25 r90
R218: PIN_NUMBER "1" at 990.5,-905 h25; PIN_NUMBER "2" at 1014.5,-905 h25; PAD_STACK_NAME "14X14" at 920.1,-1029 h50; PAD_STACK_NAME "R0201" at 923.5,-808 h50; DISPLAY_TOP "QA/XXX" at 1083.1,-905 h31 r90; DISPLAY_TOP "26JAN09" at 810.7,-905 h31 r90; DISPLAY_TOP "10XXX09" at 1110.7,-905 h31 r90; DISPLAY_TOP "ADI/DML" at 765.7,-905 h31 r90; ASSEMBLY_TOP "UPN" at 1047.5,-905 h25 r90; ASSEMBLY_TOP "1" at 1037.5,-905 h25 r90; ASSEMBLY_TOP "16K" at 972.3,-905 h25 r90
R219: PIN_NUMBER "1" at 890.5,-957.5 h25; PIN_NUMBER "2" at 914.5,-957.5 h25; PAD_STACK_NAME "14X14" at 820.1,-1081.5 h50; PAD_STACK_NAME "R0201" at 823.5,-860.5 h50; DISPLAY_TOP "QA/XXX" at 983.1,-957.5 h31 r90; DISPLAY_TOP "26JAN09" at 710.7,-957.5 h31 r90; DISPLAY_TOP "10XXX09" at 1010.7,-957.5 h31 r90; DISPLAY_TOP "ADI/DML" at 665.7,-957.5 h31 r90; ASSEMBLY_TOP "UPN" at 947.5,-957.5 h25 r90; ASSEMBLY_TOP "1" at 937.5,-957.5 h25 r90; ASSEMBLY_TOP "10K" at 872.3,-957.5 h25 r90
R220: PIN_NUMBER "1" at 890.5,-905 h25; PIN_NUMBER "2" at 914.5,-905 h25; PAD_STACK_NAME "14X14" at 820.1,-1029 h50; PAD_STACK_NAME "R0201" at 823.5,-808 h50; DISPLAY_TOP "QA/XXX" at 983.1,-905 h31 r90; DISPLAY_TOP "26JAN09" at 710.7,-905 h31 r90; DISPLAY_TOP "10XXX09" at 1010.7,-905 h31 r90; DISPLAY_TOP "ADI/DML" at 665.7,-905 h31 r90; ASSEMBLY_TOP "UPN" at 947.5,-905 h25 r90; ASSEMBLY_TOP "1" at 937.5,-905 h25 r90; ASSEMBLY_TOP "16K" at 872.3,-905 h25 r90
R221: PIN_NUMBER "1" at 1389.5,-960 h25 r180; PIN_NUMBER "2" at 1365.5,-960 h25 r180; PAD_STACK_NAME "14X14" at 1279.9,-836 h50 r180; PAD_STACK_NAME "R0201" at 1276.5,-1057 h50 r180; DISPLAY_TOP "QA/XXX" at 1168.1,-960 h31 r270; DISPLAY_TOP "26JAN09" at 1415.7,-960 h31 r270; DISPLAY_TOP "10XXX09" at 1115.7,-960 h31 r270; DISPLAY_TOP "ADI/DML" at 1460.7,-960 h31 r270; ASSEMBLY_TOP "UPN" at 1292.5,-960 h25 r270; ASSEMBLY_TOP "1" at 1342.5,-960 h25 r270; ASSEMBLY_TOP "10K" at 1367.7,-960 h25 r270
R222: PIN_NUMBER "1" at 1389.5,-905 h25 r180; PIN_NUMBER "2" at 1365.5,-905 h25 r180; PAD_STACK_NAME "14X14" at 1279.9,-781 h50 r180; PAD_STACK_NAME "R0201" at 1276.5,-1002 h50 r180; DISPLAY_TOP "QA/XXX" at 1168.1,-905 h31 r270; DISPLAY_TOP "26JAN09" at 1415.7,-905 h31 r270; DISPLAY_TOP "10XXX09" at 1115.7,-905 h31 r270; DISPLAY_TOP "ADI/DML" at 1460.7,-905 h31 r270; ASSEMBLY_TOP "UPN" at 1292.5,-905 h25 r270; ASSEMBLY_TOP "1" at 1342.5,-905 h25 r270; ASSEMBLY_TOP "16K" at 1367.7,-905 h25 r270
R223: PIN_NUMBER "1" at 1190.5,-960 h25; PIN_NUMBER "2" at 1214.5,-960 h25; PAD_STACK_NAME "14X14" at 1120.1,-1084 h50; PAD_STACK_NAME "R0201" at 1123.5,-863 h50; DISPLAY_TOP "QA/XXX" at 1283.1,-960 h31 r90; DISPLAY_TOP "26JAN09" at 1010.7,-960 h31 r90; DISPLAY_TOP "10XXX09" at 1310.7,-960 h31 r90; DISPLAY_TOP "ADI/DML" at 965.7,-960 h31 r90; ASSEMBLY_TOP "UPN" at 1247.5,-960 h25 r90; ASSEMBLY_TOP "1" at 1237.5,-960 h25 r90; ASSEMBLY_TOP "10K" at 1172.3,-960 h25 r90
R224: PIN_NUMBER "1" at 1190.5,-905 h25; PIN_NUMBER "2" at 1214.5,-905 h25; PAD_STACK_NAME "14X14" at 1120.1,-1029 h50; PAD_STACK_NAME "R0201" at 1123.5,-808 h50; DISPLAY_TOP "QA/XXX" at 1283.1,-905 h31 r90; DISPLAY_TOP "26JAN09" at 1010.7,-905 h31 r90; DISPLAY_TOP "10XXX09" at 1310.7,-905 h31 r90; DISPLAY_TOP "ADI/DML" at 965.7,-905 h31 r90; ASSEMBLY_TOP "UPN" at 1247.5,-905 h25 r90; ASSEMBLY_TOP "1" at 1237.5,-905 h25 r90; ASSEMBLY_TOP "16K" at 1172.3,-905 h25 r90
R225: PIN_NUMBER "2" at 2183,325 h25; PIN_NUMBER "1" at 2207,325 h25; ASSEMBLY_BOTTOM "UPN" at 2110,325 h25 r270; ASSEMBLY_BOTTOM "1" at 2160,325 h25 r270; ASSEMBLY_BOTTOM "49.9" at 2175.2,325 h25 r270; PAD_STACK_NAME "14X14" at 2097.4,201 h50; PAD_STACK_NAME "R0201" at 2094,422 h50; DISPLAY_BOTTOM "QA/XXX" at 1985.6,325 h31 r270; DISPLAY_BOTTOM "26JAN09" at 2233.2,325 h31 r270; DISPLAY_BOTTOM "10XXX09" at 1933.2,325 h31 r270; DISPLAY_BOTTOM "ADI/DML" at 2278.2,325 h31 r270
R226: PIN_NUMBER "2" at 2183,275 h25; PIN_NUMBER "1" at 2207,275 h25; ASSEMBLY_BOTTOM "UPN" at 2110,275 h25 r270; ASSEMBLY_BOTTOM "1" at 2160,275 h25 r270; ASSEMBLY_BOTTOM "10K" at 2185.2,275 h25 r270; PAD_STACK_NAME "14X14" at 2097.4,151 h50; PAD_STACK_NAME "R0201" at 2094,372 h50; DISPLAY_BOTTOM "QA/XXX" at 1985.6,275 h31 r270; DISPLAY_BOTTOM "26JAN09" at 2233.2,275 h31 r270; DISPLAY_BOTTOM "10XXX09" at 1933.2,275 h31 r270; DISPLAY_BOTTOM "ADI/DML" at 2278.2,275 h31 r270
R301: PIN_NUMBER "1" at 1547.5,989.5 h25 r270; PIN_NUMBER "2" at 1547.5,965.5 h25 r270; PAD_STACK_NAME "14X14" at 1333.5,969.9 h50 r270; PAD_STACK_NAME "R0201" at 1554.5,966.5 h50 r270; DISPLAY_TOP "QA/XXX" at 1483.1,832.5 h31; DISPLAY_TOP "26JAN09" at 1470.7,1092.5 h31; DISPLAY_TOP "10XXX09" at 1470.7,792.5 h31; DISPLAY_TOP "ADI/DML" at 1470.7,1137.5 h31; ASSEMBLY_TOP "UPN" at 1527.5,912.5 h25; ASSEMBLY_TOP "1" at 1547.5,942.5 h25; ASSEMBLY_TOP "10" at 1537.5,987.7 h25
R302: PIN_NUMBER "1" at 1407.5,1179.5 h25 r270; PIN_NUMBER "2" at 1407.5,1155.5 h25 r270; PAD_STACK_NAME "14X14" at 1193.5,1159.9 h50 r270; PAD_STACK_NAME "R0201" at 1414.5,1156.5 h50 r270; DISPLAY_TOP "QA/XXX" at 1343.1,1022.5 h31; DISPLAY_TOP "26JAN09" at 1330.7,1282.5 h31; DISPLAY_TOP "10XXX09" at 1330.7,982.5 h31; DISPLAY_TOP "ADI/DML" at 1330.7,1327.5 h31; ASSEMBLY_TOP "UPN" at 1387.5,1102.5 h25; ASSEMBLY_TOP "1" at 1407.5,1132.5 h25; ASSEMBLY_TOP "10K" at 1387.5,1177.7 h25
R303: PIN_NUMBER "2" at 1362.5,1179.5 h25 r90; PIN_NUMBER "1" at 1362.5,1155.5 h25 r90; PAD_STACK_NAME "14X14" at 1396.5,1175.1 h50 r90; PAD_STACK_NAME "R0201" at 1175.5,1178.5 h50 r90; DISPLAY_TOP "QA/XXX" at 1298.1,1312.5 h31 r180; DISPLAY_TOP "26JAN09" at 1285.7,1052.5 h31 r180; DISPLAY_TOP "10XXX09" at 1285.7,1352.5 h31 r180; DISPLAY_TOP "ADI/DML" at 1285.7,1007.5 h31 r180; ASSEMBLY_TOP "UPN" at 1342.5,1232.5 h25 r180; ASSEMBLY_TOP "1" at 1362.5,1202.5 h25 r180; ASSEMBLY_TOP "20K" at 1342.5,1157.3 h25 r180
R304: PIN_NUMBER "1" at 1537.5,1040.5 h25 r90; PIN_NUMBER "2" at 1537.5,1064.5 h25 r90; PAD_STACK_NAME "14X14" at 1571.5,1060.1 h50 r90; PAD_STACK_NAME "R0201" at 1350.5,1063.5 h50 r90; DISPLAY_TOP "QA/XXX" at 1473.1,1197.5 h31 r180; DISPLAY_TOP "26JAN09" at 1460.7,937.5 h31 r180; DISPLAY_TOP "10XXX09" at 1460.7,1237.5 h31 r180; DISPLAY_TOP "ADI/DML" at 1460.7,892.5 h31 r180; ASSEMBLY_TOP "UPN" at 1517.5,1117.5 h25 r180; ASSEMBLY_TOP "1" at 1537.5,1087.5 h25 r180; ASSEMBLY_TOP "10K" at 1517.5,1042.3 h25 r180
R305: PIN_NUMBER "1" at 807.5,1269.5 h25 r270; PIN_NUMBER "2" at 807.5,1245.5 h25 r270; PAD_STACK_NAME "14X14" at 593.5,1249.9 h50 r270; PAD_STACK_NAME "R0201" at 814.5,1246.5 h50 r270; DISPLAY_TOP "QA/XXX" at 743.1,1112.5 h31; DISPLAY_TOP "26JAN09" at 730.7,1372.5 h31; DISPLAY_TOP "10XXX09" at 730.7,1072.5 h31; DISPLAY_TOP "ADI/DML" at 730.7,1417.5 h31; ASSEMBLY_TOP "UPN" at 787.5,1192.5 h25; ASSEMBLY_TOP "1" at 807.5,1222.5 h25; ASSEMBLY_TOP "16K" at 787.5,1267.7 h25
R306: PIN_NUMBER "2" at 1034.5,1270 h25; PIN_NUMBER "1" at 1010.5,1270 h25; PAD_STACK_NAME "14X14" at 940.1,1146 h50; PAD_STACK_NAME "R0201" at 943.5,1367 h50; DISPLAY_TOP "QA/XXX" at 1103.1,1270 h31 r90; DISPLAY_TOP "26JAN09" at 830.7,1270 h31 r90; DISPLAY_TOP "10XXX09" at 1130.7,1270 h31 r90; DISPLAY_TOP "ADI/DML" at 785.7,1270 h31 r90; ASSEMBLY_TOP "UPN" at 1067.5,1270 h25 r90; ASSEMBLY_TOP "1" at 1057.5,1270 h25 r90; ASSEMBLY_TOP "10K" at 992.3,1270 h25 r90
R307: PIN_NUMBER "2" at 635,968.5 h25 r270; PIN_NUMBER "1" at 635,1091.5 h25 r270; PAD_STACK_NAME "1206a" at 670,1030 h50 r270; PAD_STACK_NAME "50x67x73" at 425.8,1030 h31 r270; ASSEMBLY_TOP "0" at 640,1040 h25; ASSEMBLY_TOP "0" at 640,1005 h25; ASSEMBLY_TOP "UPN" at 615,970 h25
R308: PIN_NUMBER "1" at 765.5,782.5 h25; PIN_NUMBER "2" at 789.5,782.5 h25; PAD_STACK_NAME "14X14" at 695.1,658.5 h50; PAD_STACK_NAME "R0201" at 698.5,879.5 h50; DISPLAY_TOP "QA/XXX" at 858.1,782.5 h31 r90; DISPLAY_TOP "26JAN09" at 585.7,782.5 h31 r90; DISPLAY_TOP "10XXX09" at 885.7,782.5 h31 r90; DISPLAY_TOP "ADI/DML" at 540.7,782.5 h31 r90; ASSEMBLY_TOP "UPN" at 822.5,782.5 h25 r90; ASSEMBLY_TOP "1" at 812.5,782.5 h25 r90; ASSEMBLY_TOP "10K" at 747.3,782.5 h25 r90
R309: PIN_NUMBER "1" at 789.5,740 h25 r180; PIN_NUMBER "2" at 765.5,740 h25 r180; PAD_STACK_NAME "14X14" at 679.9,864 h50 r180; PAD_STACK_NAME "R0201" at 676.5,643 h50 r180; DISPLAY_TOP "QA/XXX" at 568.1,740 h31 r270; DISPLAY_TOP "26JAN09" at 815.7,740 h31 r270; DISPLAY_TOP "10XXX09" at 515.7,740 h31 r270; DISPLAY_TOP "ADI/DML" at 860.7,740 h31 r270; ASSEMBLY_TOP "UPN" at 692.5,740 h25 r270; ASSEMBLY_TOP "1" at 742.5,740 h25 r270; ASSEMBLY_TOP "16K" at 767.7,740 h25 r270
R310: PIN_NUMBER "2" at 790,927 h25 r90; PIN_NUMBER "1" at 790,903 h25 r90; PAD_STACK_NAME "14X14" at 824,922.6 h50 r90; PAD_STACK_NAME "R0201" at 603,926 h50 r90; DISPLAY_TOP "QA/XXX" at 725.6,1060 h31 r180; DISPLAY_TOP "26JAN09" at 713.2,800 h31 r180; DISPLAY_TOP "10XXX09" at 713.2,1100 h31 r180; DISPLAY_TOP "ADI/DML" at 713.2,755 h31 r180; ASSEMBLY_TOP "UPN" at 770,980 h25 r180; ASSEMBLY_TOP "1" at 790,950 h25 r180; ASSEMBLY_TOP "10K" at 770,904.8 h25 r180
R311: PIN_NUMBER "2" at 695,809 h25 r90; PIN_NUMBER "1" at 695,686 h25 r90; PAD_STACK_NAME "1206a" at 480,747.5 h50 r90; PAD_STACK_NAME "50x67x73" at 725.8,747.5 h31 r90; ASSEMBLY_TOP "0" at 690,737.5 h25 r180; ASSEMBLY_TOP "0" at 690,772.5 h25 r180; ASSEMBLY_TOP "UPN" at 675,807.5 h25 r180
R312: PIN_NUMBER "1" at 884.5,1270 h25 r180; PIN_NUMBER "2" at 860.5,1270 h25 r180; PAD_STACK_NAME "14X14" at 774.9,1394 h50 r180; PAD_STACK_NAME "R0201" at 771.5,1173 h50 r180; DISPLAY_TOP "QA/XXX" at 663.1,1270 h31 r270; DISPLAY_TOP "26JAN09" at 910.7,1270 h31 r270; DISPLAY_TOP "10XXX09" at 610.7,1270 h31 r270; DISPLAY_TOP "ADI/DML" at 955.7,1270 h31 r270; ASSEMBLY_TOP "UPN" at 787.5,1270 h25 r270; ASSEMBLY_TOP "1" at 837.5,1270 h25 r270; ASSEMBLY_TOP "10K" at 862.7,1270 h25 r270
T105: PIN_NUMBER "5" at -241.25,335.88 h25 r30; PIN_NUMBER "2" at -303.75,444.12 h25 r30; PIN_NUMBER "1" at -260.45,469.13 h25 r30; PIN_NUMBER "3" at -347.05,419.13 h25 r30; PIN_NUMBER "6" at -197.95,360.87 h25 r30; PIN_NUMBER "4" at -284.55,310.87 h25 r30; ASSEMBLY_BOTTOM "UPN" at -357.45,352.5 h25 r300; ASSEMBLY_BOTTOM "TCM1-63AX+" at -340.85,402.5 h25 r300; PAD_STACK_NAME "TSML150W160H160" at -662.5,563.21 h50 r30; PAD_STACK_NAME "30X65" at -275.01,238.45 h50 r30; DISPLAY_BOTTOM "04SEP12" at -544.16,277.5 h31 r300; DISPLAY_BOTTOM "QA/REP" at -488.45,302.51 h31 r300; DISPLAY_BOTTOM "04SEP12" at -219.39,465 h31 r300; DISPLAY_BOTTOM "ADI/JSM" at -176.09,490 h31 r300
T106: PIN_NUMBER "5" at -241.97,-335.48 h25 r150; PIN_NUMBER "1" at -347.76,-418.73 h25 r150; PIN_NUMBER "2" at -304.45,-443.72 h25 r150; PIN_NUMBER "3" at -261.16,-468.72 h25 r150; PIN_NUMBER "6" at -285.26,-310.48 h25 r150; PIN_NUMBER "4" at -198.66,-360.47 h25 r150; ASSEMBLY_BOTTOM "UPN" at -228.26,-427.1 h25 r60; ASSEMBLY_BOTTOM "TCM1-63AX+" at -384.86,-377.11 h25 r60; PAD_STACK_NAME "TSML150W160H160" at -663.2,-562.8 h50 r150; PAD_STACK_NAME "30X65" at -275.72,-238.05 h50 r150; DISPLAY_BOTTOM "04SEP12" at -155.15,-502.11 h31 r60; DISPLAY_BOTTOM "QA/REP" at -186.06,-477.09 h31 r60; DISPLAY_BOTTOM "04SEP12" at -479.92,-314.61 h31 r60; DISPLAY_BOTTOM "ADI/JSM" at -523.21,-289.61 h31 r60
T107: PIN_NUMBER "5" at 72.22,452.48 h25; PIN_NUMBER "2" at 72.22,577.48 h25; PIN_NUMBER "1" at 122.22,577.48 h25; PIN_NUMBER "3" at 22.22,577.48 h25; PIN_NUMBER "6" at 122.22,452.48 h25; PIN_NUMBER "4" at 22.22,452.48 h25; ASSEMBLY_BOTTOM "UPN" at -22.78,514.98 h25 r270; ASSEMBLY_BOTTOM "TCM1-63AX+" at 7.22,514.98 h25 r270; PAD_STACK_NAME "TSML150W160H160" at -217.78,714.98 h50; PAD_STACK_NAME "30X65" at -17.78,339.98 h50; DISPLAY_BOTTOM "04SEP12" at -229.58,514.98 h31 r270; DISPLAY_BOTTOM "QA/REP" at -167.18,514.98 h31 r270; DISPLAY_BOTTOM "04SEP12" at 145.42,514.98 h31 r270; DISPLAY_BOTTOM "ADI/JSM" at 195.42,514.98 h31 r270
T108: PIN_NUMBER "5" at 17.77,-439.48 h25 r180; PIN_NUMBER "2" at 17.77,-564.48 h25 r180; PIN_NUMBER "1" at -32.23,-564.48 h25 r180; PIN_NUMBER "3" at 67.77,-564.48 h25 r180; PIN_NUMBER "6" at -32.23,-439.48 h25 r180; PIN_NUMBER "4" at 67.77,-439.48 h25 r180; ASSEMBLY_BOTTOM "UPN" at 72.77,-501.98 h25 r90; ASSEMBLY_BOTTOM "TCM1-63AX+" at -97.23,-501.98 h25 r90; PAD_STACK_NAME "TSML150W160H160" at -272.23,-701.98 h50 r180; PAD_STACK_NAME "30X65" at -72.23,-326.98 h50 r180; DISPLAY_BOTTOM "04SEP12" at 165.97,-501.98 h31 r90; DISPLAY_BOTTOM "QA/REP" at 128.37,-501.98 h31 r90; DISPLAY_BOTTOM "04SEP12" at -209.03,-501.98 h31 r90; DISPLAY_BOTTOM "ADI/JSM" at -259.03,-501.98 h31 r90
TP101: PIN_NUMBER "1" at 347.5,-457.5 h25; PAD_STACK_NAME "C75D45" at 237.5,-557.5 h50; PAD_STACK_NAME "TPC75D45" at 197.5,-357.5 h50; DISPLAY_TOP "17DEC09" at 510.7,-457.5 h31 r90; DISPLAY_TOP "ADI/MAM" at 460.7,-457.5 h31 r90; DISPLAY_TOP "ADI/PMA" at 370.7,-457.5 h31 r90; DISPLAY_TOP "26APR99" at 170.7,-457.5 h31 r90; DISPLAY_TOP "CEXI/BTC" at 108.3,-457.5 h31 r90; DISPLAY_TOP "26APR99" at 420.7,-457.5 h31 r90; ASSEMBLY_TOP "UPN" at 427.5,-457.5 h25 r90; ASSEMBLY_TOP "WP45" at 292.5,-457.5 h25 r90
TP102: PIN_NUMBER "1" at -480,15 h25; PAD_STACK_NAME "C75D45" at -590,-85 h50; PAD_STACK_NAME "TPC75D45" at -630,115 h50; DISPLAY_TOP "17DEC09" at -316.8,15 h31 r90; DISPLAY_TOP "ADI/MAM" at -366.8,15 h31 r90; DISPLAY_TOP "ADI/PMA" at -456.8,15 h31 r90; DISPLAY_TOP "26APR99" at -656.8,15 h31 r90; DISPLAY_TOP "CEXI/BTC" at -719.2,15 h31 r90; DISPLAY_TOP "26APR99" at -406.8,15 h31 r90; ASSEMBLY_TOP "UPN" at -400,15 h25 r90; ASSEMBLY_TOP "WP45" at -535,15 h25 r90
TP201: PIN_NUMBER "1" at 1972.5,-650 h25 r90; ASSEMBLY_BOTTOM "TP-108" at 1963.8,-631.2 h25; ASSEMBLY_BOTTOM "UPN" at 1899.8,-689.7 h25; PAD_STACK_NAME "TPSM70X135" at 1636.9,-658.4 h50 r90; PAD_STACK_NAME "14X30" at 2048.1,-642.5 h50 r90; DISPLAY_BOTTOM "DDMMMYY" at 1901.9,-873.2 h31; DISPLAY_BOTTOM "ADI/JDB" at 1895.7,-500 h31; DISPLAY_BOTTOM "02AUG13" at 1895.7,-550 h31; DISPLAY_BOTTOM "QA/XXX" at 1913.6,-836.9 h31; DISPLAY_BOTTOM "QA/XXX" at 1908.1,-750 h31; DISPLAY_BOTTOM "DDMMMYY" at 1896.4,-786.8 h31
TP202: PIN_NUMBER "1" at 2020,-650 h25 r270; ASSEMBLY_BOTTOM "TP-108" at 1928.7,-668.8 h25 r180; ASSEMBLY_BOTTOM "UPN" at 2052.7,-610.3 h25 r180; PAD_STACK_NAME "TPSM70X135" at 1975.6,-641.6 h50 r270; PAD_STACK_NAME "14X30" at 1764.4,-657.5 h50 r270; DISPLAY_BOTTOM "DDMMMYY" at 1937,-426.8 h31 r180; DISPLAY_BOTTOM "ADI/JDB" at 1943.2,-800 h31 r180; DISPLAY_BOTTOM "02AUG13" at 1943.2,-750 h31 r180; DISPLAY_BOTTOM "QA/XXX" at 1950.1,-463.1 h31 r180; DISPLAY_BOTTOM "QA/XXX" at 1955.6,-550 h31 r180; DISPLAY_BOTTOM "DDMMMYY" at 1942.5,-513.2 h31 r180
TP203: PIN_NUMBER "1" at 1967.5,-500 h25 r90; ASSEMBLY_BOTTOM "TP-108" at 1958.8,-481.2 h25; ASSEMBLY_BOTTOM "UPN" at 1894.8,-539.7 h25; PAD_STACK_NAME "TPSM70X135" at 1631.9,-508.4 h50 r90; PAD_STACK_NAME "14X30" at 2043.1,-492.5 h50 r90; DISPLAY_BOTTOM "DDMMMYY" at 1896.9,-723.2 h31; DISPLAY_BOTTOM "ADI/JDB" at 1890.7,-350 h31; DISPLAY_BOTTOM "02AUG13" at 1890.7,-400 h31; DISPLAY_BOTTOM "QA/XXX" at 1908.6,-686.9 h31; DISPLAY_BOTTOM "QA/XXX" at 1903.1,-600 h31; DISPLAY_BOTTOM "DDMMMYY" at 1891.4,-636.8 h31
TP204: PIN_NUMBER "1" at 2020,-500 h25 r90; ASSEMBLY_BOTTOM "TP-108" at 2011.3,-481.2 h25; ASSEMBLY_BOTTOM "UPN" at 1947.3,-539.7 h25; PAD_STACK_NAME "TPSM70X135" at 1684.4,-508.4 h50 r90; PAD_STACK_NAME "14X30" at 2095.6,-492.5 h50 r90; DISPLAY_BOTTOM "DDMMMYY" at 1949.4,-723.2 h31; DISPLAY_BOTTOM "ADI/JDB" at 1943.2,-350 h31; DISPLAY_BOTTOM "02AUG13" at 1943.2,-400 h31; DISPLAY_BOTTOM "QA/XXX" at 1961.1,-686.9 h31; DISPLAY_BOTTOM "QA/XXX" at 1955.6,-600 h31; DISPLAY_BOTTOM "DDMMMYY" at 1943.9,-636.8 h31
TP205: PIN_NUMBER "1" at 1845,-370 h25 r90; ASSEMBLY_BOTTOM "TP-108" at 1836.3,-351.2 h25; ASSEMBLY_BOTTOM "UPN" at 1772.3,-409.7 h25; PAD_STACK_NAME "TPSM70X135" at 1509.4,-378.4 h50 r90; PAD_STACK_NAME "14X30" at 1920.6,-362.5 h50 r90; DISPLAY_BOTTOM "DDMMMYY" at 1774.4,-593.2 h31; DISPLAY_BOTTOM "ADI/JDB" at 1768.2,-220 h31; DISPLAY_BOTTOM "02AUG13" at 1768.2,-270 h31; DISPLAY_BOTTOM "QA/XXX" at 1786.1,-556.9 h31; DISPLAY_BOTTOM "QA/XXX" at 1780.6,-470 h31; DISPLAY_BOTTOM "DDMMMYY" at 1768.9,-506.8 h31